# Altium PCB PCB_WINGLET_V1P_OSR.PcbDoc (part 4 of 4) (continued)
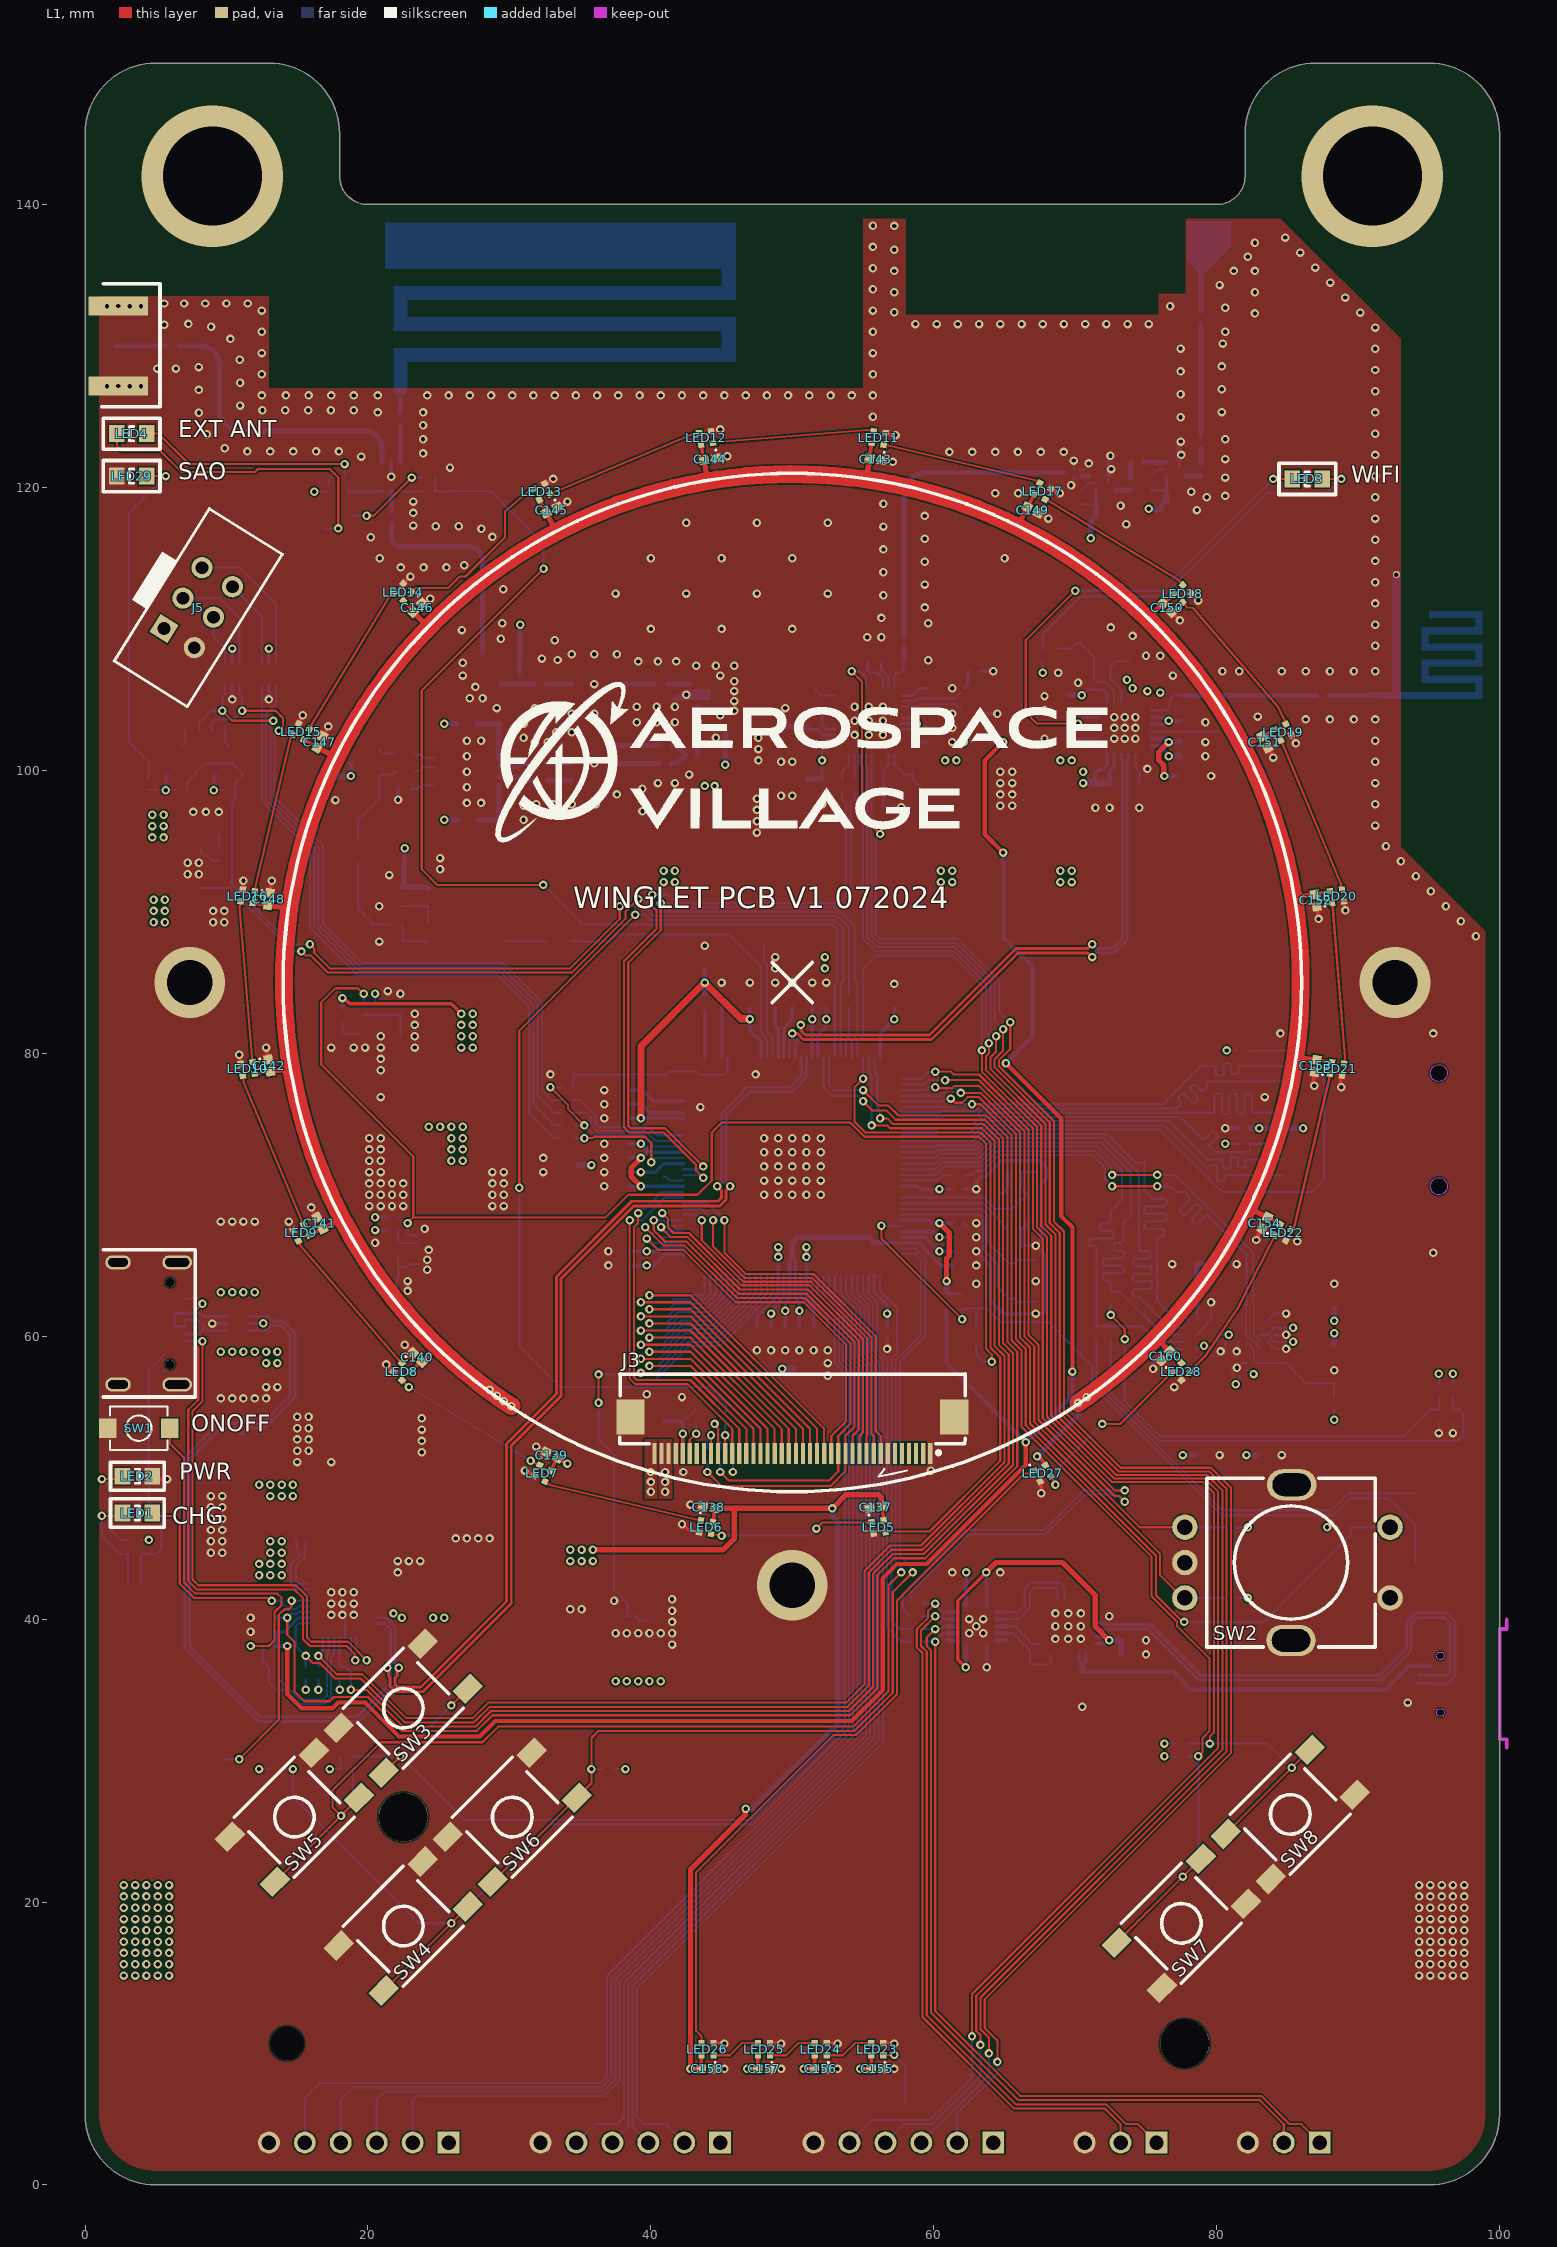
[diagram p0: L1 view]
## Nets (pads, with @x,y where several pads share a name; then routed paths per layer and width w, separated by ;. In a path a pad name is that pad's centre, name@x,y a point inside that pad or via, vN(x,y) a via of type N, cw(c..) or ccw(c..) an arc to the next point about the centre after c; other vN are vias at no path point) (continued)
SOC_PF6_CD: J2.CD R29.2 U4.13 | length 45.9
  L4 w0.152: U4.13@57.725,73.4 60.1,73.4 60.2,73.5 62.9,73.5 64,74.6 76,74.6 80.4,70.2 81.25,70.2 86.7,70.2 87.6,71.1 87.6,78.4 85.8,80.2 J2.CD@84.7,80.2 R29.2@82.35,80.2
SOC_PG3_LCS: R39.1 U4.121 | length 75
  L1 w0.152: v1(30.7,70.5) 30.7,81.6 v1(38.9,89.8)
  L4 w0.152: v1(30.7,70.5) 30.7,59.3 33.6,56.4 44.1,56.4 45.3,55.2 R39.1@45.3,54.65 ; v1(38.9,89.8) 39.6,89.8 40,89.4 53,89.4 53.6,88.8 53.6,85.1 53.4,84.9 U4.121@53.4,79.725
SOC_SDC0_CLK: R30.1 U4.9 | length 3.5
  L4 w0.152: U4.9@57.725,75 R30.1@61.25,75
SOC_SDC0_CMD: J2.3 R31.2 TP13.1 U4.10 | length 30.8
  L4 w0.152: U4.10@57.725,74.6 60.1,74.6 60.3,74.4 62.6,74.4 63.7,75.5 77.4,75.5 78.924,73.976 78.978,73.922 79.129,73.922 79.678,74.471 79.829,74.471 80.055,74.245 80.055,74.094 79.506,73.545 79.506,73.394 79.65,73.25 79.9,73 81.2,73 82.2,73 82.35,73.15 R31.2@82.35,73.6 J2.3@84.7,73.6
SOC_SDC0_D0: J2.7 TP14.1 U4.8 | length 30.8
  L4 w0.152: U4.8@57.725,75.4 60.6,75.4 60.8,75.6 63,75.6 63.5,76.1 77.1,76.1 77.379,76.379 77.432,76.432 77.432,76.583 77.275,76.741 77.275,76.892 77.501,77.118 77.652,77.118 78.279,76.491 78.43,76.491 78.656,76.718 78.656,76.869 78.135,77.39 78.135,77.541 78.361,77.767 78.512,77.767 78.914,77.365 79.064,77.365 79.291,77.592 79.291,77.742 79.291,77.893 79.397,78 79.7,78 79.888,78 TP14.1@82.2,78 J2.7@84.7,78
SOC_SDC0_D1: J2.8 TP15.1 U4.7 | length 30.8
  L4 w0.152: U4.7@57.725,75.8 60.5,75.8 60.6,75.9 62.9,75.9 63.4,76.4 76.2,76.4 78.818,79.018 TP15.1@78.818,79.1 79.215,79.1 79.824,79.1 79.931,78.993 79.931,78.535 80.038,78.428 80.358,78.428 80.464,78.535 80.464,79.204 80.571,79.311 80.891,79.311 80.998,79.204 80.998,78.638 81.104,78.531 81.424,78.531 81.531,78.638 81.531,78.993 81.638,79.1 83.05,79.1 J2.8@84.7,79.1
SOC_SDC0_D2: J2.1 TP16.1 U4.12 | length 30.1
  L4 w0.152: U4.12@57.725,73.8 62.8,73.8 63.9,74.9 76.296,74.9 79.147,72.048 79.224,71.972 79.262,71.934 79.413,71.934 79.588,72.109 79.908,72.109 80.015,72.003 80.015,71.065 80.121,70.959 80.441,70.959 80.548,71.065 80.548,71.293 80.655,71.4 80.884,71.4 J2.1@84.7,71.4
SOC_SDC0_D3: J2.2 TP17.1 U4.11 | length 30.8
  L4 w0.152: U4.11@57.725,74.2 60.1,74.2 60.2,74.1 62.7,74.1 63.8,75.2 76.6,75.2 79.3,72.5 79.723,72.5 80.333,72.5 80.439,72.393 80.439,71.975 80.546,71.868 80.866,71.868 80.973,71.975 80.973,72.525 81.079,72.632 81.399,72.632 81.506,72.525 81.506,72.02 81.613,71.913 81.933,71.913 82.039,72.02 82.039,72.393 82.146,72.5 82.4,72.5 J2.2@84.7,72.5
SOC_SDC2_CLK: R32.1 U4.19 | length 3.7
  L4 w0.152: U4.19@57.725,71 60.3,71 60.7,71.4 R32.1@61.25,71.4
SOC_SDC2_CMD: TP21.1 U4.18 U5.L1 U5.L2 U5.L3 U5.M5 | length 35.3
  L1 w0.152: v1(72.6,71.4) v1(75.8,71.4)
  L4 w0.102: 82.6,62.1 U5.L1@82.6,61.6 U5.L2@82.6,61.1 82.6,60.652 U5.L3@82.6,60.6 82.6,60.1 U5.M5@83.1,59.6
  L4 w0.152: U4.18@57.725,71.4 60.1,71.4 60.7,72 63.4,72 64.5,73.1 71.4,73.1 72.571,71.929 72.571,71.429 v1(72.6,71.4) ; v1@75.813,71.4 TP21.1@77.1,71.4 82.6,65.9 82.6,62.1
SOC_SDC2_D0: TP19.1 U4.15 U5.A3 | length 38.2
  L4 w0.102: 77,60.6 U5.A3@77.6,60.6
  L4 w0.152: U4.15@57.725,72.6 60.1,72.6 60.4,72.9 63.1,72.9 64.2,74 72,74 74.5,71.5 TP19.1@74.5,66.9 74.5,66.402 74.5,66.113 74.607,66.006 75.203,66.006 75.31,65.9 75.31,65.58 75.203,65.473 74.179,65.473 74.072,65.366 74.072,65.046 74.179,64.939 75.325,64.939 75.432,64.833 75.432,64.513 75.325,64.406 74.179,64.406 74.072,64.299 74.072,63.979 74.179,63.873 75.325,63.873 75.432,63.766 75.432,63.446 75.325,63.339 74.179,63.339 74.072,63.233 74.072,62.913 74.179,62.806 74.5,62.806 74.607,62.699 74.683,62.623 76.7,60.6 77,60.6
SOC_SDC2_D1: R33.1 TP20.1 U4.16 U5.A4 | length 38.2
  L4 w0.102: 77,60.1 U5.A4@77.6,60.1
  L4 w0.152: U4.16@57.725,72.2 60.1,72.2 60.5,72.6 63.2,72.6 64.3,73.7 71.8,73.7 73.9,71.6 73.9,68.5 TP20.1@73.4,68 73.4,67.413 73.4,66.687 73.293,66.58 72.84,66.58 72.734,66.473 72.734,66.153 72.84,66.047 73.329,66.047 73.436,65.94 73.436,65.62 73.329,65.513 72.085,65.513 71.978,65.407 71.978,65.086 72.085,64.98 73.329,64.98 73.436,64.873 73.436,64.553 73.329,64.446 72.085,64.446 71.978,64.34 71.978,64.02 72.085,63.913 72.393,63.913 72.5,63.806 72.5,63.73 R33.1@72.5,63.15 73.15,63.15 76.2,60.1 77,60.1
SOC_SDC2_D2: R34.1 R35.1 TP22.1 U4.17 U5.A5 | length 38.2
  L4 w0.102: 77,59.6 U5.A5@77.6,59.6
  L4 w0.152: U4.17@57.725,71.8 60.1,71.8 60.6,72.3 63.3,72.3 64.4,73.4 71.6,73.4 73.3,71.7 73.3,69.663 TP22.1@73,69.363 ; TP22.1@73,69.3 72.697,68.997 72.496,68.796 72.496,68.093 72.389,67.986 71.841,67.986 71.734,67.879 71.734,67.559 71.841,67.453 72.599,67.453 72.706,67.346 72.706,67.026 72.599,66.919 71.109,66.919 71.003,66.813 71.003,66.493 71.109,66.386 71.393,66.386 71.5,66.279 71.5,66.052 R35.1@71.5,60.7 R34.1@72.5,60.7 74.7,60.7 75.8,59.6 77,59.6
SOC_SDC2_D3: TP23.1 U4.14 U5.A1 U5.B2 | length 38.2
  L4 w0.102: 77,61.6 U5.A1@77.6,61.6 U5.B2@78.1,61.1
  L4 w0.152: U4.14@57.725,73 60.1,73 60.3,73.2 63,73.2 64.1,74.3 72.2,74.3 74.2,72.3 TP23.1@74.9,72.3 74.9,70.3 75.293,69.907 ; 75.3,69.9 75.483,69.717 76.321,69.717 76.428,69.61 76.428,69.29 76.321,69.184 74.986,69.184 74.88,69.077 74.88,68.757 74.986,68.65 76.321,68.65 76.428,68.544 76.428,68.224 76.321,68.117 74.986,68.117 74.88,68.01 74.88,67.69 74.986,67.584 76.156,67.584 76.263,67.477 76.263,67.157 76.156,67.05 75.907,67.05 75.8,66.943 75.8,66.812 75.8,62.5 76.7,61.6 77,61.6
SOC_TVIN0: C130.1 U4.108 | length 21.2
  L4 w0.152: C130.1@34.325,87.9 37.069,87.9 37.569,88.4 45.5,88.4 47.8,86.1 47.8,81.4 48.2,81 U4.108@48.2,79.725
SOC_TVIN1: TP8.1 U4.109 | length 8.1
  L4 w0.152: TP8.1@48,87.6 48,86.5 48.2,86.3 48.2,81.5 48.6,81.1 U4.109@48.6,79.725
SOC_TVIN_VRN: C54.2 U4.111 | length 3.8
  L4 w0.254: U4.111@49.4,79.725 49.4,81.8 50,82.4 C54.2@50,83.26
SOC_TVIN_VRP: C53.2 U4.110 | length 3.6
  L4 w0.254: C53.2@48.8,83.26 48.8,82 49,81.8 U4.110@49,79.725
SOC_TVOUT0: TP7.1 U4.78 | length 1.5
  L4 w0.152: TP7.1@40.9,71.3 41.021,71.3 41.321,71 U4.78@42.275,71
SOC_UART0_RX: R88.1 U4.33 | length 26.6
  L4 w0.152: U4.33@56.2,64.275 56.2,63.2 57.4,62 57.4,58.8 57,58.4 57,39.9 57.6,39.3 R88.1@58.35,39.3
SOC_UART0_TX: R89.1 U4.35 | length 27.5
  L4 w0.152: U4.35@55.4,64.275 55.4,63 56,62.4 56,59.1 56.7,58.4 56.7,39.4 57.7,38.4 R89.1@58.35,38.4
SOC_UART3_RX: R50.2 U4.79 | length 48
  L1 w0.152: v1(40.1,91.2) 40.1,90.4 40.4,90.1 40.4,88.8 38.1,86.5 38.1,80.2 38.1,74.776 38.476,74.4 40.9,74.4 43.2,72.1 43.2,71.7 v1(43.7,71.2)
  L4 w0.152: v1(40.1,91.2) 41.2,91.2 41.8,90.6 53.3,90.6 53.8,91.1 53.8,97.7 53.5,98 R50.2@53.5,98.45 ; U4.79@42.275,71.4 43.4,71.4 43.6,71.2 v1(43.7,71.2)
SOC_UART3_TX: R51.2 U4.80 | length 46.1
  L1 w0.152: v1(40.7,90.6) 40.7,88.7 38.4,86.4 38.4,74.9 38.6,74.7 41,74.7 v1(43.7,72)
  L4 w0.152: v1(40.7,90.6) 41.3,90.6 41.6,90.3 53.4,90.3 54.1,91 54.1,97.7 54.4,98 R51.2@54.4,98.45 ; U4.80@42.275,71.8 43.4,71.8 43.6,72 v1(43.7,72)
SOC_USB_D_N: D1.6 TP11.1 U1.23 U4.114 | length 119.2
  L1 w0.206: v1(22.173,36.571) 22.097,36.496 22.097,36.005 21.9,35.808 21.9,35.4 22.1,35.2 23.758,35.2 25.36,36.803 29.8,41.242 29.8,52.4 33.325,55.925 33.325,64.209 38.653,69.537 44.737,69.537 44.984,69.784 44.984,70.282 44.7,70.566 v1(44.7,70.6)
  L4 w0.206: D1.6@11.609,60.396 12.817,60.396 13.162,60.742 13.888,60.742 14.5,60.129 14.5,55.8 12.533,53.833 11.567,53.833 TP11.1@11.125,54.275 10.683,53.833 9.462,53.833 9.267,53.638 7.067,51.438 7.067,37.962 12.262,32.767 19.371,32.767 21.937,35.332 21.937,36.251 22.173,36.487 v1(22.173,36.571) 21.933,36.811 21.933,39.438 21.271,40.1 U1.23@20.6,40.1 ; v1(44.7,70.6) 44.7,70.634 44.984,70.918 44.984,75.754 46.467,77.238 46.467,77.285 46.783,77.6 49.834,77.6 50.634,78.4 50.634,78.864 50.6,78.897 U4.114@50.6,79.725
SOC_USB_D_P: D1.4 TP10.1 U1.24 U4.115 | length 119.1
  L1 w0.206: v1(21.373,36.571) 21.448,36.496 21.448,35.978 21.567,35.859 21.567,35.262 21.962,34.867 23.896,34.867 25.693,36.665 30.133,41.104 30.133,52.262 33.658,55.787 33.658,64.071 38.791,69.204 44.875,69.204 45.316,69.646 45.316,70.282 45.6,70.566 v1(45.6,70.6)
  L4 w0.206: D1.4@11.616,61.411 12.868,61.411 13.204,61.074 14.026,61.074 14.123,60.977 14.833,60.267 14.833,55.662 12.671,53.5 11.55,53.5 TP10.1@11.108,53.058 10.665,53.5 9.6,53.5 7.4,51.3 7.4,38.1 12.4,33.1 19.234,33.1 21.604,35.47 21.604,36.254 21.373,36.485 v1(21.373,36.571) 21.6,36.799 21.6,39.3 21.2,39.7 U1.24@20.6,39.7 ; v1(45.6,70.6) 45.6,70.634 45.316,70.918 45.316,75.616 46.8,77.1 46.8,77.147 46.921,77.267 49.971,77.267 50.966,78.262 50.966,78.864 51,78.897 U4.115@51,79.725
SOC_VRA1: C50.2 U4.92 | length 4.2
  L4 w0.254: C50.2@38.44,77.4 38.452,77.388 39.412,77.388 40.2,76.6 U4.92@42.275,76.6
SOC_VRA2: C51.2 U4.90 | length 4.1
  L4 w0.254: C51.2@38.44,76.4 39.3,76.4 39.9,75.8 U4.90@42.275,75.8
TPS_EN: C23.2 R11.2 R14.1 U2.1 | length 4.1
  L4 w0.152: R11.2@22,63.15 22,63.9 22.14,64.04 C23.2@22.14,64.7 ; R14.1@22.125,65.7 22.125,64.715 C23.2@22.14,64.7 ; U2.1@23.5,65.1 23,65.1 22.834,64.934 22.374,64.934 C23.2@22.14,64.7
TPS_FB: R13.2 R16.1 U2.4 | length 2.3
  L4 w0.152: R13.2@22.125,67.5 R16.1@22.125,66.6 U2.4@23.5,66.6
TPS_PGOOD: D2.1 R12.1 R21.2 U2.5 | length 88.6
  L1 w0.152: v1(19.7,84.2) 19.3,84.6 17.7,84.6 16.7,83.6 16.7,79.2 23.2,72.7 23.2,68.4 ; v1(22.8,68) 23.2,68.4 ; v1(64.1,58.2) 64.1,58.7 63.7,59.1 63.7,73.6 63.2,74.1 55.1,74.1 54.1,75.1 45,75.1 44.3,74.4 44.3,71 43.3,70 38.4,70 36.8,68.4 23.2,68.4
  L4 w0.152: R21.2@19.7,83.475 v1(19.7,84.2) ; R12.1@22.125,68.4 22.15,68.4 22.464,68.086 22.714,68.086 v1(22.8,68) 22.8,67.3 23,67.1 U2.5@23.5,67.1 ; D2.1@63,59.425 63,58.7 63.5,58.2 v1(64.1,58.2)
UART0_RX: P1.2 R88.2 U18.11 | length 58.8
  L1 w0.152: v1(60.1,39.3) 59.5,38.7 59.5,38.1 59.8,37.8 59.8,12.176 65.976,6 83.04,6 84.74,4.3 P1.2@84.74,3
  L4 w0.152: R88.2@59.25,39.3 v1(60.1,39.3) 60.5,39.3 60.7,39.5 U18.11@61,39.5
UART0_TX: P1.1 R89.2 U18.10 | length 59.1
  L1 w0.152: v1(60.1,38.4) 60.1,12.3 66.1,6.3 83.14,6.3 85.14,4.3 85.98,4.3 P1.1@87.28,3
  L4 w0.152: R89.2@59.25,38.4 v1(60.1,38.4) 60.7,39 61,39
UART1_RX: P2.2 R86.2 U18.13 | length 50.4
  L1 w0.152: v1(60.1,41.1) 59.6,40.6 59.6,40.1 58.8,39.3 58.8,38 59.2,37.6 59.2,11.876 65.676,5.4 72.1,5.4 73.2,4.3 P2.2@73.2,3
  L4 w0.152: R86.2@59.25,41.1 v1(60.1,41.1) 60.2,41 60.7,40.5 U18.13@61,40.5
UART1_TX: P2.1 R87.2 U18.12 | length 50.6
  L1 w0.152: v1(60.1,40.2) 59.1,39.2 59.1,38.1 59.5,37.7 59.5,12 65.8,5.7 72.2,5.7 73.6,4.3 74.44,4.3 P2.1@75.74,3
  L4 w0.152: R87.2@59.25,40.2 v1(60.1,40.2) 60.5,40.2 60.7,40 U18.12@61,40
USB_UART_ECI_RXD: U17.12 U18.5 | length 5.1
  L4 w0.152: 65.15,39 65.6,39 66.8,37.8 66.8,37 67,36.8 68.1,36.8 68.25,36.95 U17.12@68.25,37.525
USB_UART_ECI_TXD: U17.13 U18.4 | length 2.9
  L4 w0.152: 65.15,39.5 65.4,39.5 65.7,39.5 66.95,38.25 U17.13@67.525,38.25
USB_UART_SCI_RXD: U17.20 U18.3 | length 5.8
  L4 w0.152: 65.15,40 66,40 66.8,40.8 66.8,41.9 67.1,42.2 68.6,42.2 68.75,42.05 U17.20@68.75,41.475
USB_UART_SCI_TXD: U17.21 U18.2 | length 6.6
  L4 w0.152: 65.15,40.5 66,40.5 66.4,40.9 66.4,42.1 66.9,42.6 68.9,42.6 69.25,42.25 U17.21@69.25,41.475
USB_UART_VBUS: C167.2 J6.1 U17.7 U17.8 | length 27.9
  L4 w0.254: U17.8@70.25,37.525 70.252,37.523 70.252,37.048 70.5,36.8 70.748,37.048 70.748,37.523 U17.7@70.75,37.525
  L4 w0.305: C167.2@70.5,36.3 76.9,36.3 78.2,35 91.9,35 93.6,36.7 J6.1@95.048,36.7
  L4 w0.381: C167.2@70.5,36.3 70.5,36.8
USBC_CC1: J1.A5 U1.26 | length 36.6
  L1 w0.152: v1(8.3,59.64) 8.3,55.4 7.6,54.7 7.6,42.803 8.003,42.4 14.9,42.4 15.7,41.6 15.7,38.7 16,38.4 18.6,38.4 v1(19.9,37.1)
  L4 w0.152: J1.A5@7.1,59.64 v1(8.3,59.64) ; U1.26@19.2,38.7 19.2,37.776 19.876,37.1 v1(19.9,37.1)
USBC_CC2: J1.B5 U1.27 | length 39.3
  L1 w0.152: v1(8.3,62.3) 7.8,61.8 7.8,59.4 8,59.2 8,55.5 7.3,54.8 7.3,42.703 7.903,42.1 14.8,42.1 15.4,41.5 15.4,38.6 15.9,38.1 18.5,38.1 19.079,37.521 19.079,37.121 v1(19.1,37.1)
  L4 w0.152: J1.B5@7.09,62.65 7.902,62.65 8.252,62.3 v1(8.3,62.3) ; U1.27@18.8,38.7 18.8,37.513 19.1,37.213 v1(19.1,37.1)
USBC_D_N: D1.1 J1.A7 J1.B7 | length 4.9
  L4 w0.2: J1.B7@7.09,60.15 8.05,60.15 8.5,60.6 ; J1.A7@7.09,61.15 7.95,61.15 8.5,60.6 ; D1.1@9.995,60.4 9.985,60.39 8.71,60.39 8.5,60.6
  L4 w0.206: J1.A7@7.043,61.103 J1.A7@7.09,61.15
USBC_D_P: D1.3 J1.A6 J1.B6 | length 5.2
  L4 w0.2: J1.A6@7.04,60.7 6.43,60.7 6.313,60.817 6.313,61.483 6.43,61.6 J1.B6@7.04,61.6 ; J1.B6@7.09,61.65 8.15,61.65 8.396,61.404 9.991,61.404 D1.3@9.995,61.4
USBC_SBU1: J1.A8
USBC_SBU2: J1.B8
VCORE_EN: C27.2 R20.1 R21.1 R22.1 U3.1 | length 4
  L4 w0.152: R21.1@19.7,82.725 20.5,82.725 21.335,82.725 C27.2@21.4,82.66 21.465,82.725 22.3,82.725 22.3,81.365 U3.1@22.285,81.35
VIDAMP_IN: R15.2 R60.2 U15.1 | length 3
  L4 w0.152: R60.2@22.45,89.1 R15.2@22.45,87.9 22.455,87.895 U15.1@24.25,87.895
VIDAMP_OUT: C130.2 U15.8 | length 2.9
  L4 w0.152: U15.8@29.75,87.895 29.755,87.9 C130.2@32.675,87.9
WIFI_PCB_ANT: C77.2 | length 2.7
  L4 w0.356: C77.2@87.94,105.3 90.664,105.3
WIFI_RFIN: C77.1 C78.2 L5.1 | length 6.7
  L4 w0.356: L5.1@80.326,105.3 C78.2@81.6,105.3 C77.1@87.06,105.3
pads on no net: ANT1.2 ANT1.3 ANT1.4 BT1. J1. J3.2 J3.3 J3.4 J3.5 J3.6 J3.33 J3.34 J6.4 U1.6 U1.25 U4.21 U4.87 U4.88 U4.93 U4.94 U4.95 U4.96 U4.98 U4.99 U4.102 U4.103 U4.104 U4.105 U5.A2 U5.A7 U5.A8 U5.A9 U5.A10 U5.A11 U5.A12 U5.A13 U5.A14 U5.B1 U5.B3 U5.B4 U5.B5 U5.B6 U5.B7 U5.B8 U5.B9 U5.B10 U5.B11 U5.B12 U5.B13 U5.B14 U5.C3 U5.C5 U5.C7 U5.C8 U5.C9 U5.C10 U5.C11 U5.C12 U5.C13 U5.C14 U5.D1 U5.D2 U5.D4 U5.D12 U5.D13 U5.D14 U5.E3 U5.E5 U5.E8 U5.E9 U5.E10 U5.E12 U5.E13 U5.E14 U5.F1 U5.F2 U5.F3 U5.F10 U5.F12 U5.F13 U5.F14 U5.G1 U5.G2 U5.G3 U5.G10 U5.G12 U5.G13 U5.G14 U5.H1 U5.H2 U5.H3 U5.H5 U5.H12 U5.H13 U5.H14 U5.J1 U5.J2 U5.J3 U5.J12 U5.J13 U5.J14 U5.K6 U5.K7 U5.K10 U5.K12 U5.K13 U5.K14 U5.L12 U5.L13 U5.L14 U5.M1 U5.M2 U5.M3 U5.M7 U5.M9 U5.M10 U5.M11 U5.M12 U5.M13 U5.M14 U5.N1 U5.N3 U5.N6 U5.N7 U5.N9 U5.N10 U5.N11 U5.N12 U5.N13 U5.N14 U5.P2 U5.P7 U5.P9 U5.P10 U5.P11 U5.P12 U5.P13 U5.P14 U7.19 U7.22 U10.4 U10.8 U10.9 U10.10 U10.13 U10.14 U10.20 U10.25 U10.26 U10.27 U10.28 U10.29 U10.31 U10.32 U10.33 U10.34 U10.36 U10.37 U15.6 U15.7 U17.1 U17.9 U17.10 U17.11 U17.14 U17.15 U17.16 U17.17 U17.18 U17.19 U17.22 U17.23 U17.24 U18.6 U18.9 X4.1
copper on no net:
  other v4: 9,142 91,142

## Polygon pours and split planes (outlines as drawn)
PP_VSYS on L4 "L4-PP_VSYS" (solid, pour order 43): 15.3,60.091 17.874,57.4 20.8,57.4 20.8,59.9 27.1,59.9 27.1,63.8 26.4,63.8 26.2,64 26.2,64.7 25.7,65.2 24.8,65.2 24.8,64.6 24.6,64.4 24.6,62.7 19.3,62.7 19.3,74.9 20.3,75.9 20.3,79.8 15.3,79.8
PP_USBC_VBUS on L4 "PP_USBC_VBUS_L04_P000" (solid, pour order 0): 7.945,63.694 6.494,63.694 6.4,63.6 6.4,63 6.5,62.9 8.5,62.9 8.9,62.5 12.8,62.5 12.8,65.5 8.3,65.5 8.3,63.7 7.951,63.7
PP_VLED_5V0 on L4 "PP_VLED_5V0_L04_P001" (solid, pour order 1): 32.1,42.9 25.5,42.9 25.5,41.9 20,41.9 20,41.1 21.8,41.1 22.1,40.8 26.2,40.8 32.1,40.8
GND on L4 "GND_L04_P068" (solid, pour order 68): 1.009,127 1.009,133.491 1,133.5 13,133.5 13,127
GND on L4 "GND_L04_FILLPLANE" (solid, remove dead copper, pour order 64): 0,5 0,127 12.5,127 55,127 55,131.3 83.4,131.3 83.4,138.8 84.5,138.8 91.694,131.606 91.694,95.906 100,87.6 100,5 cw(c95,5) 95,0 5,0 cw(c5,5)
PP_RTL_3V3 on L4 "PP_RTL_3V3_L04_P054" (solid, pour order 54): 73.5,106.8 73.3,106.6 73.3,106.1 73.6,105.8 73.6,105.3 75.5,105.3 75.7,105.1 76.4,105.1 76.4,106.8
PP_ADSB_3V3 on L4 "PP_ADSB_3V3_L04_P051" (solid, pour order 51): 45,99.4 43.2,99.4 42.6,98.7 41.5,98.7 41.5,96.8 41,96.8 40.2,96.8 40.2,95.2 45,95.2
PP_GNSS_3V3 on L4 "PP_GNSS_3V3_L04_P049" (solid, pour order 49): 61.9,95 59.9,95 59.9,100.2 59.2,100.9 59.2,102.3 59.9,102.3 59.9,101.5 60.2,101.2 62.1,101.2 62.1,95
PP_VCC_3V3 on L4 "PP_VCC_3V3_L04_P048" (solid, pour order 48): 40.3,95 40.3,91.6 42.3,91.6 42.3,95
PP_VCC_3V3 on L4 "PP_VCC_3V3_L04_P047" (solid, pour order 47): 59.9,95 59.9,91.6 61.9,91.6 61.9,95
PP_RTL_3V3 on L4 "PP_RTL_3V3_L04_P046" (solid, pour order 46): 70.35,95 68.35,95 68.05,95.3 68.05,101.2 70.95,101.2 70.95,97.3 70.35,96.7
PP_VCC_3V3 on L4 "PP_VCC_3V3_L04_P045" (solid, pour order 45): 68.35,95 68.35,91.6 70.35,91.6 70.35,95
GND on L4 "L1_GPSANT_GND" (solid, pour order 44): 58,139.05 58,133.7 79.3,133.7 79.3,134.6 81.3,136.6 81.3,138.8 83.4,138.8 83.4,128.4 55,128.4 55,139.05
PP_LCD_BL_K on L4 "PP_LCD_BL_K_L04_P038" (solid, pour order 38): 41.5,46.9 41.5,50.9 40.5,50.9 40.5,48.8 37.9,46.2 37.9,42.3 41.5,42.3
PP_VCORE_0V9 on L4 "PP_VCORE_0V9_L04_P034" (solid, pour order 34): 52.8,87.2 50.9,87.2 50.9,85.6 52.8,85.6
GND on L4 "GND_L04_P030" (solid, pour order 30): 85.545,13.7 98.8,13.7 98.8,22.3 85.545,22.3
PP_VBAT on L4 "PP_VBAT_L04_P027" (solid, pour order 27): 14.7,22.3 1.8,22.3 1.8,13.7 14.7,13.7
PP_LCD_BL_A on L4 "PP_LCD_BL_A_L04_P026" (solid, pour order 26): 33.7,37.2 33.7,35.1 41.3,35.1 41.3,37.2
PP_VLED_5V0 on L4 "PP_VLED_5V0_L04_P024" (solid, pour order 24): 36.9,42.3 35.7,42.3 35.4,42.6 31.6,42.6 29.4,42.6 29.4,45.4 36.9,45.4
NetL4_1 on L4 "NETL4_1_L04_P023" (solid, pour order 23): 36.9,40.9 36,40.9 35.2,40.1 33.7,40.1 33.7,38 36.9,38
PP_VCC_3V3 on L4 "PP_VCC_3V3_L04_P022" (solid, pour order 22): 6.7,92.4 4.2,92.4 4.2,88.9 7,88.9 7,90.7 6.7,91 6.7,91.3
PP_SAO_3V3 on L4 "PP_SAO_3V3_L04_P021" (solid, pour order 21): 6.7,93.8 4.2,93.8 4.2,97.3 7,97.3 7,95.5 6.7,95.2 6.7,94.9
PP_VCORE_0V9 on L4 "PP_VCORE_0V9_L04_P020" (solid, pour order 20): 25.2,76.7 27.9,76.7 27.9,83.3 25.2,83.3
GND on L4 "L1_GND" (solid, pour order 18): 20.4,76.2 25.1,76.2 25.1,82.3 20.4,82.3 20.4,80.9 17,80.9 17,79.892 20.4,79.892
NetL3_1 on L4 "NETL3_1_L04_P017" (solid, pour order 17): 21.6,79.9 21.6,76.7 24.5,76.7 24.5,79.9
PP_VBAT on L4 "PP_VBAT_L04_P016" (solid, pour order 16): 15.2,50.05 11.6,50.05 11.6,42.6 14.3,42.6 14.3,44.2 14.8,44.7 14.8,45.2 15.2,45.2
PP_USBC_VBUS on L4 "PP_USBC_VBUS_L04_P013" (solid, pour order 13): 22.1,40.8 21.8,41.1 20,41.1 20,40.3 21.4,40.3 22.3,39.4 26,39.4 26,40.8
GND on L4 "GND_L04_P012" (solid, pour order 12): 21.601,41.989 21.612,42 25.4,42 25.4,44.5 21.601,44.5
BMU_BAT on L4 "L1_BMU_BAT" (solid, pour order 11): 17.7,42.9 17.7,50.1 15.4,50.1 15.4,45.037 15.533,45.037 16.295,44.275 16.93,44.275 16.93,42.9
PP_VSYS on L4 "L1_NetC4_2" (solid, pour order 10): 17.9,42.9 17.9,57.7 20.8,57.7 20.8,46.2 18.581,43.981 18.581,42.9
NetL1_1 on L4 "L1_NetL1_1" (solid, pour order 9): 21.502,44.6 21.502,41.989 20,41.989 20,42.9 18.962,42.9 18.962,44.148 21,46.186 21,50.3 23.8,50.3 23.8,44.6
PP_USBC_VBUS on L4 "L1_PP_TEST_VBUS" (solid, pour order 8): 7.945,63.694 7.945,62.932 6.294,62.932 6.04,62.678 6.04,59.122 6.294,58.868 8.252,58.868 9.2,59.5 14,59.5 14,58.1 14,57.5 9.486,57.5 8.252,58.1 5.792,58.1 5.278,58.614 5.278,63.186 5.786,63.694
PP_VCC_3V3 on L4 "PP_VCC_3V3_L04_P007" (solid, pour order 7): 26.4,68.4 26.2,68.2 26.2,67.5 25.7,67 24.5,67 24.5,70.6 23.7,71.4 23.7,75.2 27,75.2 27,68.4 27,74.2 27,68.4
NetL2_1 on L4 "L4_NetL2_1" (solid, pour order 4): 24.8,65.5 24.8,65.7 25.7,65.7 25.9,65.9 29,65.9 29,64 26.5,64 26.4,64.1 26.4,64.8 25.7,65.5 24.9,65.5
NetL2_2 on L4 "L4_NetL2_2" (solid, pour order 2): 24.8,66.7 24.8,66.5 25.7,66.5 25.9,66.3 29,66.3 29,68.2 26.5,68.2 26.4,68.1 26.4,67.4 25.7,66.7 24.9,66.7
GND on L1 "GND_L01_P066" (solid, pour order 66): 1.009,127 1.009,133.491 1,133.5 13,133.5 13,127
GND on L1 "L4_GND_RF" (solid, pour order 58): 55,126.9 55,139 58,139 58,132.2 75.9,132.2 75.9,133.7 77.8,133.7 77.8,139 83.4,139 83.4,126.9
GND on L1 "GND_L01_FILLPLANE" (solid, remove dead copper, pour order 52): 0,5 0,127 82.4,127 82.4,139 84.5,139 93,130.5 93,94.6 100,87.6 100,5 cw(c95,5) 95,0 5,0 cw(c5,5)
PP_LCD_BL_K on L1 "PP_LCD_BL_K_L01_P033" (solid, pour order 33): 41.5,48.5 40.55,48.5 40.55,52.7 41.5,52.7
PP_LCD_BL_A on L1 "PP_LCD_BL_A_L01_P032" (solid, pour order 32): 40.45,52.7 39.55,52.7 39.55,48.5 40.45,48.5
PP_LDOB_DRAM on L2 "PP_LDOB_DRAM_L02_P036" (solid, pour order 36): 45.3,62.4 45.3,56.5 51,56.5 51,60.5 51.2,60.7 51.2,62.4
PP_RTL_3V3 on L2 "PP_RTL_3V3_L02_P056" (solid, pour order 56): 68.1,100.7 67.2,101.6 67.2,108.1 74.1,108.1 77.4,104.8 77.4,99.2 76.4,98.2 68.1,98.2
PP_LCD_BL_A on L2 "PP_LCD_BL_A_L02_P039" (solid, pour order 39): 40.4,50.9 39.5,50.9 39.5,45.2 42.1,42.6 42.1,38.2 40.5,36.6 37,36.6 37,34.7 41.6,34.7 44,37.1 44,43.6 40.4,47.2 40.4,48.7
PP_VBAT on L2 "PP_VBAT_L02_P040" (solid, pour order 40): 15.2,37.7 9.6,32.1 9.6,13.7 1.7,13.7 1.7,36 10.2,44.5 10.2,50.1 15.2,50.1
PP_USBC_VBUS on L2 "PP_USBC_VBUS_L02_P041" (solid, pour order 41): 26.1,39.4 21.7,39.4 20.1,41 20.1,42.9 18.2,44.8 18.2,53.7 14.4,57.5 7.4,57.5 7.4,63.8 14.4,63.8 23.4,54.8 23.4,47.2 26.1,44.5
PP_VCORE_0V9 on L2 "PP_VCORE_0V9_L02_P037" (solid, pour order 37): 47.4,87.5 47.4,78.5 41,72.1 37.2,72.1 35.8,73.5 35,73.5 28.5,80 28.5,84 24.5,84 24.5,77 26,75.5 26.8,75.5 35.3,67 47.2,67 47.2,64.5 51.5,64.5 53.4,66.4 53.4,87.5
PP_LDOA_1V8 on L2 "PP_LDOA_1V8_L02_P035" (solid, pour order 35): 42.7,83.6 47.4,83.6 47.4,87.5 53.5,87.5 53.5,66.5 51.5,64.5 47.2,64.5 47.2,65.5 38.6,65.5 38.6,63.7 40.7,63.7 41.9,62.5 45.2,62.5 45.2,61.1 49.1,61.1 49.1,62.5 54.8,62.5 58.9,66.6 61.4,66.6 61.4,73.1 56.6,77.9 56.6,90.3 42.7,90.3
PP_SAO_3V3 on L2 "PP_SAO_3V3_L02_P050" (solid, pour order 50): 13.84,115.817 1.04,115.817 1.04,97.717 4.14,94.617 12.2,94.617 12.2,103.2 13.84,104.84
PP_VLED_5V0 on L2 "PP_VLED_5V0_L02_P055" (solid, pour order 55): 36.7,43.4 33.5,43.4 33.5,49.9 27.8,55.6 27.8,56.8 28.8,56.8 29.7,56.8 36.7,49.8
PP_VCC_3V3 on L2 "PP_VCC_3V3_L02_FILLPLANE" (solid, remove dead copper, pour order 59): 0,5 0,126.5 91.3,126.5 91.3,95.388 100,86.488 100,5 cw(c95,5) 95,0 5,0 cw(c5,5)
GND on L3 "GND_L03_P067" (solid, pour order 67): 55,126.9 55,139 58,139 58,132.2 75.9,132.2 75.9,133.7 77.8,133.7 77.8,139 83.4,139 83.4,126.9
GND on L3 "GND_L03_FILLPLANE" (solid, remove dead copper, pour order 53): 0,5 0,127 0,133.5 13,133.5 13,127 55,127 55,130.5 83.4,130.5 83.4,139 84.5,139 93,130.5 93,127 93,94.6 100,87.6 100,5 cw(c95,5) 95,0 5,0 cw(c5,5)

## Other copper
L4:
  region net ADSB_PCB_ANT: 22.8,128.9 21.8,128.9 21.8,127 22.8,127
  region net ADSB_PCB_ANT: 46.01,129.85 21.8,129.85 21.8,128.85 46.01,128.85
  region net ADSB_PCB_ANT: 46.01,134.25 21.8,134.25 21.8,133.25 46.01,133.25
  region net ADSB_PCB_ANT: 46.01,138.72 21.2,138.72 21.2,135.45 46.01,135.45
  region net ADSB_PCB_ANT: 46.01,132.05 45.01,132.05 45.01,128.85 46.01,128.85
  region net ADSB_PCB_ANT: 46.01,135.7 45.01,135.7 45.01,134.2 46.01,134.2
  rectangle net ADSB_PCB_ANT: 21.8,131.05 22.8,134.25
  region net ADSB_PCB_ANT: 46.01,132.05 21.8,132.05 21.8,131.05 46.01,131.05
  region: 98.792,105.046 98.792,105.554 91.68,105.554 91.68,105.046
  region: 94.982,108.475 94.982,110.126 94.474,110.126 94.474,108.475
  region: 98.792,106.189 98.792,106.697 94.474,106.697 94.474,106.189
  region: 98.792,110.761 98.792,111.269 95,111.269 95,110.761
  region: 98.792,108.475 98.792,108.983 94.474,108.983 94.474,108.475
  region: 98.792,109.618 98.792,110.126 94.474,110.126 94.474,109.618
  region: 98.792,107.332 98.792,108.983 98.284,108.983 98.284,107.332
  region: 98.792,107.332 98.792,107.84 94.474,107.84 94.474,107.332
  region: 94.982,106.189 94.982,107.84 94.474,107.84 94.474,106.189
  region: 98.792,109.618 98.792,111.269 98.284,111.269 98.284,109.618
  region: 98.792,105.046 98.792,106.697 98.284,106.697 98.284,105.046
  region: 92.95,105.427 92.95,114.107 92.442,114.107 92.442,105.427
  region net GND: 44.213,104.971 44.213,105.726 42.5,105.726 42.5,104.971
  region net WIFI_PCB_ANT: 91.68,105.046 90.664,105.125 90.664,105.475 91.68,105.554 91.934,105.554 91.934,105.046
  region net GND: 42.5,105.726 41.3,105 41.8,104.9 42.5,104.971
  region net ADSB_PCB_ANT: 21.8,127 21.97,126.51 22.63,126.51 22.8,127
  region net GNSS_ANT: 77.9,136 78.8,135.1 79.1,135.1 81,137 81,138.8 77.9,138.8

## Silkscreen, mask and mechanical layers (free items; w line width, h text height)
Top Overlay:
  drawing of 54 lines, arcs and shapes, not listed
  text "EXT ANT" at 6.608,123.15 h2.03
  text "SAO" at 6.608,120.15 h2.03
  text "WIFI" at 89.508,119.95 h2.03
  text "WINGLET PCB V1 072024" at 34.511,90.238 h1.52
  text "ONOFF" at 7.508,52.85 h2.03
  text "PWR" at 6.651,49.45 h2.03
  text "CHG" at 6.15,46.317 h2.03
Bottom Overlay:
  drawing of 69 lines, arcs and shapes, not listed
  text "Flight Crew" at 90.52,91.896 h3
  text "@RJP5TH" at 74.797,89.564 h2.5
  text "@HCAdam" at 89.797,89.482 h2.5
  text "@CYBERTESTPILOT" at 89.797,87.496 h2.5
  text "@RUBECUBE" at 74.797,85.496 h2.5
  text "@AV_PUBS" at 89.797,85.482 h2.5
  text "@SANS_SERAPH" at 89.797,83.476 h2.5
  text "@FLYSURREALART" at 83.297,81.482 h2.5
  text "@GRAY_KIM" at 74.797,79.474 h2.5
  text "Hi there :)" at 54.046,77.092 h1.02
  text "Because I was / inverted" at 14.009,71.194 h2.5
  text "USB" at 6.892,66.85 h2.03
  text "SMHC0" at 98.692,62.65 h2.03
  text "BOOT" at 98.692,59.65 h2.03
  text "WINGLET R1" at 38.5,54.819 h4
  text "SMHC2" at 75.692,50.25 h2.03
  text "FEL" at 92.492,48.25 h2.03
  text "RST" at 92.492,43.35 h2.03
  text "DBG" at 93.592,31.75 h2.03
  text "I am serious... And don't call me shirley" at 64.6,29.629 h3
  text "Verify battery polarity!" at 70.111,17.017 h4
  text "UART1" at 76.792,5.258 h2.03
  text "UART0" at 88.292,5.258 h2.03
  text "DSP JTAG" at 26.692,5.25 h2.03
  text "ARM JTAG" at 45.892,5.25 h2.03
  text "GNSS" at 65.192,5.25 h2.03
Mechanical 1:
  the board outline again, w0.254